# Altium PCB WX0.012.446PCB-4.2.PcbDoc (part 2 of 3)
Units mm, origin at the board's own origin, x right, y up, seen from the top; angles counter-clockwise.
Board outline 102 x 67 mm, 4 copper layers (Top Layer, GND, VCC, Bottom Layer), stack 1.581 mm thick; 212 components, 155 nets, 673 pads, 449 vias.
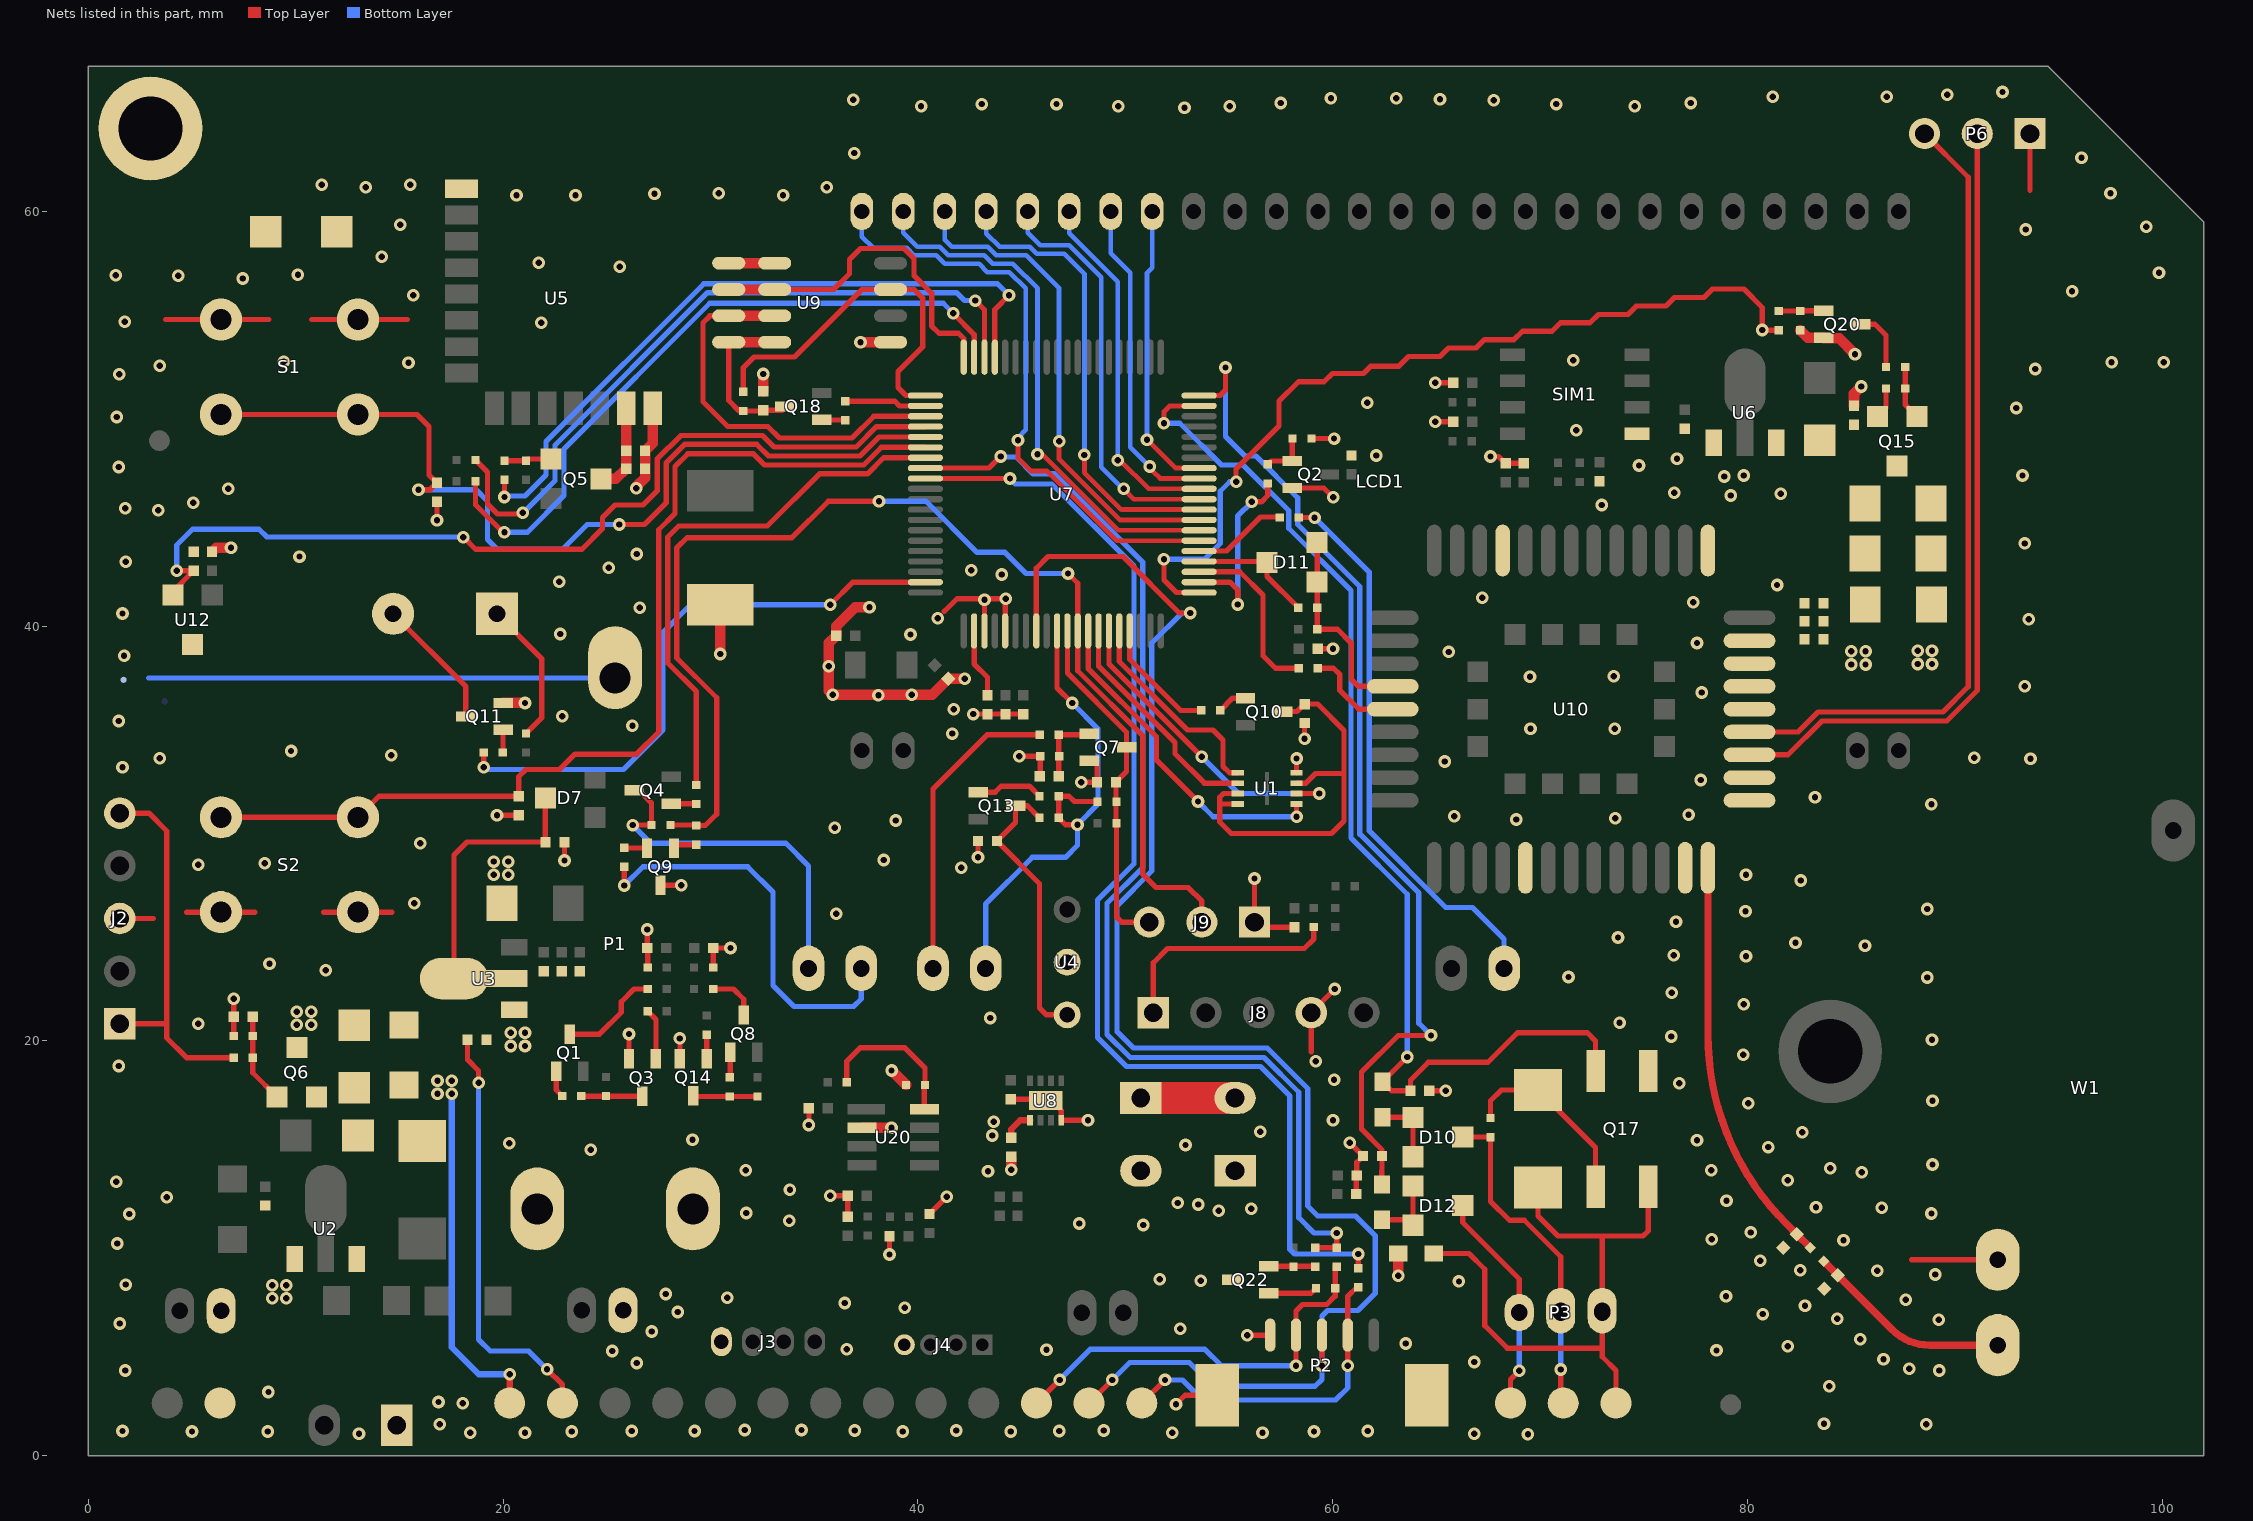
[diagram p4: the nets of this part, all layers, seen from the top]

## Part data
*: library part "AD_WXHJ_Bar Code_02", "条形码 ,填充，无需焊接器件", Part Name=条形码, ID=17, Part Number="AD_WXHJ_Bar Code_02", SMD/DIP=SMD
B1: library part 1010602-0007, "直插,直径9mm,高5.5mm,5 V,2 V,30 mA,兴化市华宇电子有限公司,HYT-0903", Part Name=有源蜂鸣器, ID=28, Part Number=1010602-0007, SMD/DIP=DIP
C1 C2: library part 101020103-0005, Part Name=0603贴片电容, ID=11, SMD/DIP=SMD
C3 C60: library part 101020101-0020, "100uF,6.3 V,±20%,1206,村田,GRM31CR60J107ME39L", Part Name=1206贴片电容, ID=27, Part Number=101020101-0020, SMD/DIP=SMD
C4 C5 C8 C10 C13 C14 C15 C16 C21 C25 C31 C32 C35 C36 C37 C38 C43 C44 C46 C47 C48 C51 C54 C55 C64: library part 101020103-0021, "104pF,50 V,±10%,0603,国巨,CC0603KRX7R9BB104", Part Name=0603贴片电容, ID=3, Part Number=101020103-0021, SMD/DIP=SMD
C6 C9 C22 C30: library part 101020103-0026, "106pF,10 V,±10%,0603,村田,GRM188R61A106KE47D", Part Name=0603贴片电容, ID=8, Part Number=101020103-0026, SMD/DIP=SMD
C7 C28: library part 101020103-0005, "12P,50 V,±5%,0603,国巨,CC0603JRNPO9BN12", Part Name=0603贴片电容, ID=11, Part Number=101020103-0005, SMD/DIP=SMD
C11 C34 C40 C42: library part 101020103-0014, "10pF,50 V,±5%,0603,X7R,国巨,CC0603JRNPO9BN100", Part Name=0603贴片电容, ID=7, Part Number=101020103-0014, SMD/DIP=SMD
C12 C50: library part 1010202-0015, "1F,2.75 V,-20%~+20%,8mm*16mm,红宝石,2.7 DMC 1 M MY4 8X16", Part Name=法拉电容, ID=12, Part Number=1010202-0015, SMD/DIP=DIP
C17: library part 101020101-0005, "100u,16 V,±10%,1206,国巨,CC1206KRNPO7BN106P", Part Name=1206贴片电容, ID=9, SMD/DIP=SMD
C18: library part 101020103-0009, "22pF,50 V,±5%,0603,国巨,CC0603JRNPO9BN22", Part Name=0603贴片电容, ID=16, Part Number=101020103-0009, SMD/DIP=SMD
C19: library part 101020103-0010, "101pf,50 V,±5%,0603,国巨,CC0603JRNP09BN101", Part Name=0603贴片电容, ID=4, Part Number=101020103-0010, SMD/DIP=SMD
C20: library part 101020101-0005, Part Name=1206贴片电容, ID=9, SMD/DIP=SMD
C23: library part 1010203-0029, "1000uF,16 V,±20%,8*20mm,Rubycon,16ZLH1000M", Part Name=电解电容, ID=2, Part Number=1010203-0029, SMD/DIP=DIP
C24 C26 C39 C41 C45 C49 C52 C53 C56 C61: library part 101020103-0027, "33pF,50 V,±10%,0603,国巨,CC0603KRNPO9BN33", Part Name=0603贴片电容, Part Number=101020103-0027, SMD/DIP=SMD
  C24 C26 C39 C45 C49 C52 C56: ID=17
  C41 C53 C61: ID=18
C29: library part 101020103-0021, "103P/1KV,±10％,1206", Part Name=1206贴片电容, Part Number=101020101-0003, ID=3, SMD/DIP=SMD
C33 C57 C62: library part 101020103-0003, "105pF,16 V,±10%,0603,国巨,CC0603KRX7R7BB105", Part Name=0603贴片电容, ID=14, Part Number=101020103-0003, SMD/DIP=SMD
C58: library part 101020103-0022, "102pF,50 V,±10%,0603,国巨,CC0603KRX7R9BB102", Part Name=0603贴片电容, ID=13, Part Number=101020103-0022, SMD/DIP=SMD
D1: library part 101040102-0001, "圆形插件,3mm 圆形,插件,红光,湖北匡通电子有限公司,3BB4HC", Part Name=发光二极管, ID=6, Part Number=101040102-0001, SMD/DIP=DIP
D2 D4 D9: library part 101040101-0048, "DS36W,SOD123-FL,3 A,42 V,60 V,浙江领晨科技有限公司,DS36W", Part Name=贴片肖特基, Part Number=101040101-0055, ID=8, SMD/DIP=SMD
D3: library part 101040101-0048, "DS12W,SOD-123FL,1 A,0.55 V,20 V,领晨科技,DS12W", Part Name=贴片肖特基, ID=9, Part Number=101040101-0048, SMD/DIP=SMD
D5: library part 101040101-0034, "直插,Φ5.8mm圆头透明色，,0.1 A,4 V,5 V,上海品观电子有限公司,AT205B", Part Name=红外发射管, ID=2, Part Number=101040101-0034, SMD/DIP=DIP
D6: library part 101040101-0035, "Φ5.8mm圆头黑色，光电接收管,Φ5.8mm,0.01 A,1.2 V,60 V,上海品观电子,AT405-PD-01", Part Name=光敏二极管, ID=4, Part Number=101040101-0035, SMD/DIP=DIP
D7 D10 D11 D12: library part 101040101-0038, "BAT54CLT1，SOT23-3,SOT23-3,0.2 A,0.8 V,30 V,安森美,BAT54CLT1", Part Name=贴片肖特基, Part Number=101040101-0038, SMD/DIP=SMD
  D7 D10 D12: ID=31
  D11: ID=8
D8: library part 101040101-0009, "SS12,DO-214AC,1 A,0.55 V,20 V,昶鑫,SS12", Part Name=贴片肖特基, ID=13, Part Number=101040101-0009, SMD/DIP=SMD
D13: library part 101040101-0008, "M7A,DO-214AC,1 A,1.1 V,1000 V,杭州闽达电子有限公司,M7A", Part Name=贴片肖特基, ID=12, Part Number=101040101-0008, SMD/DIP=SMD
DW1 EXT GND IN1 IN2 IN3 M_B M_R POW RXD SCL SDA TXD VBAT VCC VIN1 VIN2 VIN3: library part AD_WXHJ_TEST-PAD_01, "单面焊盘测试点", Part Name=测试点, ID=23, Part Number=AD_WXHJ_TEST-PAD_01, SMD/DIP=SMD
FB1 FB2 FB3: library part 109010101-0003, "chilisin(奇力新),0603,30Ω ±25% @100MHz,150 V,125 ℃,PBY160808T-300Y-N,-55 ℃,不含铅,,,圆盘,30Ω ±25% @100MHz", Part Name=磁珠, ID=25, Part Number=109010101-0003, SMD/DIP=SMD
J1 J6 J7 P5: library part 1010902-0105, "2.0-2AW,直插弯座，2PIN，脚间距2mm，带防翘起,公头,单排,2.0-2AW;直插弯座，2PIN,脚间距2mm，带防翘起", Part Name=PH座, ID=11, Part Number=1010902-0105, SMD/DIP=DIP
J3 J4: library part 1010902-0114, "1.5-4AW,直插弯座，4PIN，脚间距1.5mm，带防翘起,公头,单排,1.5-4AW，直插弯座，4PIN，脚间距1.5mm，带防翘起", Part Name=直插弯座, ID=38, Part Number=1010902-0114, SMD/DIP=DIP
J8: "Header, 5-Pin"
J9 P6: library part AD_WXHJ_PinHeader_04, "1*3 ，Φ1.0 ，2.54mm，直脚,无需焊接器件", Part Name=排针, Part Number=AD_WXHJ_PinHeader_04, SMD/DIP=DIP
  J9: ID=17
  P6: ID=27
LCD1: library part JR
MARK1 MARK2: library part AD_WXHJ_MARK_01, "MARK点", ID=8, Part Name=MARK点, Part Number=AD_WXHJ_MARK_01, SMD/DIP=SMD
P3: library part 1010902-0104, "2.0-3AW,3PIN，2mm脚间距,公头,单排,2.0-3AW；3PIN，脚间距2mm直插弯座带防翘起", Part Name=PH座, ID=12, Part Number=1010902-0104, SMD/DIP=DIP
P4: library part Shortcircuit_Pad
Q1 Q4 Q8 Q9 Q10 Q13 Q18 Q22: library part 101040201-0001, "9012,PNP,SOT-23,JCET;长电,S9012", Part Name=贴片三极管, Part Number=101040201-0001, SMD/DIP=SMD
  Q1 Q4 Q8 Q9 Q10 Q18: ID=16
  Q13 Q22: ID=17
Q2 Q3 Q7 Q11 Q14 Q20: library part 101040201-0002, "9013,NPN,SOT-23,长电,S9013", Part Name=贴片三极管, Part Number=101040201-0002, SMD/DIP=SMD
  Q2 Q3 Q7 Q11 Q14: ID=14
  Q20: ID=15
Q5 Q6 Q15: library part 101040201-0013, "UT3401ZG,P-MOS,SOT-23,UTC,UT3401ZG", Part Name=功率MOS管, ID=18, Part Number=101040201-0013, SMD/DIP=SMD
Q17: library part 1010502-0045, "SOP4,贴片,ELERLIGHT,EL357N(D)(TA)-G", Part Name=贴片光耦, ID=1, Part Number=1010502-0045, SMD/DIP=SMD
R1 R4 R10 R20 R25 R26 R33 R59 R61 R93 R94: library part 101010103-0003, "国巨,±5%,0603,,155 ℃,-55 ℃,RC0603JR-0710KL,无铅,200 ppm/℃,1/10W,,10K", Part Name=0603贴片电阻, ID=7, Part Number=101010103-0003, SMD/DIP=SMD
R2 R39 R40 R51: library part 101010103-0001, "国巨,±5%,0603,,155 ℃,-55 ℃,RC0603J2-070RL,无铅,200 ppm/℃,1/10W,,0R", Part Name=0603贴片电阻, ID=1, Part Number=101010103-0001, SMD/DIP=SMD
R3 R11 R12 R14 R34 R36 R38 R53 R75: library part 101010103-0006, "国巨,±5%,0603,,155 ℃,-55 ℃,RC0603JR-073KL,无铅,100 ppm/℃,1/10W,,3K", Part Name=0603贴片电阻, Part Number=101010103-0006, SMD/DIP=SMD
  R3 R11 R12 R38 R53: ID=22
  R14 R34 R36 R75: ID=23
R5 R54: library part 101010103-0012, "47K,±5%,1/10W,0603,国巨,RC0603JR-0747KL", Part Name=0603贴片电阻, ID=25, Part Number=101010103-0012, SMD/DIP=SMD
R6 R7: library part 101010103-0025, "国巨,±5%,0603,,155 ℃,-55 ℃,RC0603JR-072ML,含铅,100 ppm/℃,1/10W,,2M", Part Name=0603贴片电阻, ID=20, Part Number=101010103-0025, SMD/DIP=SMD
R8: library part 101010103-0003, "10K±5%,1/10W,0603", Part Name=0603贴片电阻, ID=32, Part Number=101010103-0003
R9 R24: library part 101010103-0066, "330K,±5%,1/10W,0603,国巨,RC0603JR-07330KL", Part Name=0603贴片电阻, ID=30, Part Number=101010103-0066, SMD/DIP=SMD
R13 R35 R56 R57: library part 101010103-0044, "220K,±5%,1/10W,0603,国巨,RC0603JR-07220KL", Part Name=0603贴片电阻, Part Number=101010103-0044, SMD/DIP=SMD
  R13 R35: ID=31
  R56 R57: ID=30
R15 R95: library part 101010103-0022, "100R,±5%,1/10W,0603,国巨,RC0603JR-07100RL", Part Name=0603贴片电阻, ID=5, Part Number=101010103-0022, SMD/DIP=SMD
R16 R19 R23 R55 R63: library part 101010103-0004, "国巨,±5%,0603,,155 ℃,-55 ℃,RC0603JR-0720KL,无铅,200 ppm/℃,1/10W,,20K", Part Name=0603贴片电阻, ID=15, Part Number=101010103-0004, SMD/DIP=SMD
R17 R21 R52: library part 101010103-0009, "国巨,±5%,0603,,155 ℃,-55 ℃,RC0603JR-0722RL,无铅,200 ppm/℃,1/10W,,22欧", Part Name=0603贴片电阻, ID=18, Part Number=101010103-0009, SMD/DIP=SMD
R18: library part 101010103-0034, "200K,±5%,1/10W,0603,国巨,RC0603JR-07200KL", Part Name=0603贴片电阻, ID=13, Part Number=101010103-0034, SMD/DIP=SMD
R22 R96: library part 101010103-0002, "国巨,±5%,0603,,155 ℃,-55 ℃,RC0603JR-071ML,无铅,200 ppm/℃,1/10W,,1M", Part Name=0603贴片电阻, ID=11, Part Number=101010103-0002, SMD/DIP=SMD
R27 R48: library part 101010103-0037, "国巨,±5%,0603,,155 ℃,-55 ℃,RC0603JR-0751RL,无铅,100 ppm/℃,1/10W,,51欧", Part Name=0603贴片电阻, Part Number=101010103-0037, SMD/DIP=SMD
  R27: ID=28
  R48: ID=29
R28 R37 R58 R60 R62: library part 101010103-0008, "1K,±5%,1/10W,0603,国巨,RC0603JR-071KL", Part Name=0603贴片电阻, Part Number=101010103-0008, SMD/DIP=SMD
  R28 R58 R60 R62: ID=10
  R37: ID=9
R29 R30: library part 101010103-0015, "国巨,±5%,0603,,155 ℃,55 ℃,RC0603JR-075.1KL,无铅,200 ppm/℃,1/10W,,5.1k", Part Name=0603贴片电阻, ID=26, Part Number=101010103-0015, SMD/DIP=SMD
R31 R42 R50: library part 101010101-0013, "0Ω,±5%,1/4W,1206,国巨,RC1206JR-070RL", Part Name=1206贴片电阻, ID=2, Part Number=101010101-0013, SMD/DIP=SMD
R32 R41: library part RES
S1 S2: library part 1011001-0027, "TS-1102,机械轻触,6*6*4.3直插,6*6*4.3直插,乐清市羽欧电子", Part Name=按键, ID=32, Part Number=1011001-0027, SMD/DIP=DIP
S3: library part 1011001-0051, "CSX-SEN-645B,垂直45°开关转换,3*5.2mm,360°任意方位倾斜检测,深圳市成晟科技有限公司", Part Name=倾斜开关, ID=33, Part Number=1011001-0051, SMD/DIP=SMD
SIM1: library part SIMCARD_1
U1: library part 101050101-0165, "GD25VQ80CSIG,SOP8 208mil,北京兆易创新科技股份有限公司,GD25VQ80CSIG", Part Name=贴片存储芯片FLASH, ID=14, Part Number=101050101-0165, SMD/DIP=SMD
U2: library part 1010503-0013, "S-1206B50-U3,S-1206B50-U3,SOT89-3,6.5 V,1.7 V,0.2 V,5 V,250mA@VIN≧VOUT(S)＋1.0 V﹐1.5 V≦VOUT(S),1 uA,精工电子", Part Name=贴片稳压器, ID=6, Part Number=1010503-0013, SMD/DIP=SMD
U3 U6: library part 1010503-0002, "S-1206B33-U3T1G,S-1206B33-U3T1G,SOT89-3,6.5 V,1.7 V,0.15 V,3.3 V,250mA@VIN≧VOUT(S)＋1.0 V﹐1.5 V≦VOUT(S),1 uA,精工电子", Part Name=线性稳压芯片, ID=5, Part Number=1010503-0002, SMD/DIP=SMD
U4: library part 101040101-0059, "IRM-3638J7  直脚,插件,6 V,6 V,亿光电子工业股份有限公司,IRM-3638J7", Part Name=远红外接收管, ID=46, Part Number=101040101-0059, SMD/DIP=DIP
U5: library part 1011402-0196, "DB809S,-40°C ~ +85°C,低功耗蓝牙 5.0 模组，带屏蔽罩,16.0mm*10.5mm*2.3mm,2400MHz～2480MHz(BLE)/2360MHz～2500MHz(nRF 私有模式),深圳市好上好信息科技股份有限公司", Part Name=蓝牙模块, ID=22, Part Number=1011402-0196, SMD/DIP=SMD
U8: library part 101050101-0060, "DRV8837DSGR,S-PWSON-N8,TI,DRV8837DSGR", Part Name=驱动芯片, ID=23, Part Number=101050101-0060, SMD/DIP=SMD
U9: library part AD_XN_ESAM_01, "ESAM虚拟器件", Part Name=ESAMоƬ, ID=11, Part Number=AD_XN_ESAM_01, SMD/DIP=SMD
U10: "BC28-CNS Moudle 58Pin 15.8X17.7mm H2.2mm RO", Manufacturer=Quectel, Geometry.Height=2.2mm, Part Description="BC28-CNS Moudle 58Pin 15.8X17.7mm H2.2mm RO"
U12: library part 1010504-0002, "S-5712ACDL1,SOT23-3,3.5 V,1.6 V,2 uA,精工电子,S-5712ACDL1", Part Name=霍尔元件, ID=2, Part Number=1010504-0002, SMD/DIP=SMD
U20: library part 1011301-0022, "HP303B,4.7mm*3.7mm,惠贻华普,HP303B,含铅", Part Name=HP303B温压传感器, ID=27, Part Number=1011301-0022, SMD/DIP=SMD
Y2: library part 1010601-0009, "SCX3215(SCX3213089);32.768kHz;精度20%;负载电容12.5pF,3215,32.768kHz,0.03 ppm/℃,无源,Q-SC32S03220C5AAAF,SCX3215", Part Name=贴片晶振, ID=20, Part Number=1010601-0009, SMD/DIP=SMD

## Free pads (board coordinates)
  round 5 hole 3.1: 0(3,64) 0(84,19.5)

## Via types
v1: diameter 0.61, hole 0.305, Top Layer to Bottom Layer, tented both sides, 449 vias

## Nets (pads, with @x,y where several pads share a name; then routed paths per layer and width w, separated by ;. In a path a pad name is that pad's centre, name@x,y a point inside that pad or via, vN(x,y) a via of type N, cw(c..) or ccw(c..) an arc to the next point about the centre after c; other vN are vias at no path point)
3.6V: C9.1 C14.1 D3.2 D7.3 U3.2 VIN2.1 | length 33.3
  Top Layer w0.254: U3.2@17.634,23.012 17.634,28.963 18.263,29.591 C14.1@22.047,29.591 ; C9.1@18.288,20.066 18.288,19.101 18.821,18.567 v1(18.821,17.983) ; C14.1@22.041,29.597 D7.3@22.041,31.725 ; v1(22.123,4.166) 22.86,3.429 VIN2.1@22.86,2.54
  Bottom Layer w0.254: v1(18.821,17.983) 18.821,5.613 19.38,5.055 21.234,5.055 v1(22.123,4.166)
5V: C35.1 D3.1 D8.1 Q6.2 R31.1 R42.2 U2.3 U8.1 VIN3.1 | length 18.4
  Top Layer w0.305: VIN3.1@20.32,2.54 v1(20.32,3.937) ; C35.1@44.501,15.342 44.501,15.748 44.931,16.178 U8.1@45.416,16.178
  Bottom Layer w0.305: v1(17.526,17.45) 17.526,5.232 18.821,3.937 v1(20.32,3.937)
  other v1: 43.586,15.443 43.663,16.104 16.84,17.45 16.84,18.085 17.526,18.085
119: C8.1 FB1.1 Q17.4 U7.19 | length 54.1
  Top Layer w0.254: v1(51.867,49.784) 51.867,50.343 52.148,50.624 U7.19@53.565,50.624 ; v1(63.602,19.228) FB1.1@62.408,18.034 62.84,17.602 C8.1@63.754,17.602 63.754,18.11 64.618,18.974 67.488,18.974 68.91,20.396 72.288,20.396 72.678,20.006 Q17.4@72.678,18.56
  Bottom Layer w0.254: v1(51.867,49.784) 52.629,49.784 54.635,47.777 55.683,47.777 57.887,45.574 57.887,44.722 60.884,41.725 60.884,29.794 63.602,27.076 v1(63.602,19.228)
119_BREAK: C32.2 FB3.1 U7.20 | length 49.9
  Top Layer w0.254: U7.20@53.565,51.124 54.578,51.124 54.839,51.384 v1(54.839,52.476) ; FB3.1@62.375,12.865 62.375,13.741 ; FB3.1@62.382,13.081 C32.2@62.382,14.453 62.382,14.757 61.392,15.748 61.392,18.498 63.163,20.269 v1(64.745,20.269)
  Bottom Layer w0.254: v1(54.839,52.476) 54.839,49.149 55.778,48.209 56.3,48.209 58.318,46.191 58.318,44.901 61.316,41.904 61.316,29.973 64.16,27.128 64.16,20.853 v1(64.745,20.269)
BLE_PWR_CTL: R8.1 U7.37 | length 33.9
  Top Layer w0.254: v1(20.066,46.228) R8.1@20.066,47.063 ; U7.37@43.715,52.974 43.715,55.272 v1(44.399,55.956)
  Bottom Layer w0.254: v1(20.066,46.228) 20.117,46.279 21.057,46.279 22.073,47.295 22.073,48.904 29.684,56.515 43.84,56.515 v1(44.399,55.956)
BLE_STATUS: R40.2 U7.38 | length 34.6
  Top Layer w0.254: R40.2@18.675,48.013 19.253,47.435 19.253,45.891 19.729,45.415 20.904,45.415 v1(20.955,45.466) ; v1(42.774,55.702) 43.215,55.261 U7.38@43.215,52.974
  Bottom Layer w0.254: v1(20.955,45.466) 22.504,47.015 22.504,48.725 29.863,56.083 41.866,56.083 42.247,55.702 v1(42.774,55.702)
BLE_WAKEUP: R39.1 U7.39 | length 33.3
  Top Layer w0.254: R39.1@18.675,46.971 18.675,45.859 20.008,44.526 v1(20.066,44.526) ; v1(41.707,55.093) 41.707,55.073 42.715,54.066 U7.39@42.715,52.974
  Bottom Layer w0.254: v1(20.066,44.526) 21.165,44.526 22.936,46.298 22.936,48.546 29.966,55.575 41.224,55.575 v1(41.707,55.093)
BUZZ: R38.1 U7.59 | length 28.5
  Top Layer w0.254: v1(19.073,33.204) R38.1@19.073,33.909 ; v1(35.777,41.035) 36.866,42.124 U7.59@40.365,42.124
  Bottom Layer w0.254: v1(19.073,33.204) 19.183,33.093 25.804,33.093 27.711,35.001 27.711,39.7 29.046,41.035 v1(35.777,41.035)
COM0: LCD1.1 U7.6 | length 29.1
  Top Layer w0.229: v1(44.831,48.971) 44.831,48.094 45.439,47.485 46.102,47.485 46.105,47.488 46.227,47.488 49.591,44.124 U7.6@53.565,44.124
  Bottom Layer w0.229: LCD1.1@37.3,60.25 37.3,58.788 37.846,58.242 39.456,58.242 39.811,57.887 40.888,57.887 41.294,57.48 42.951,57.48 43.358,57.074 44.413,57.074 45.199,56.288 45.199,49.467 44.831,49.098 v1(44.831,48.971)
COM1: LCD1.2 U7.7 | length 26.2
  Top Layer w0.229: v1(45.771,48.285) 46.004,48.285 49.666,44.624 U7.7@53.565,44.624
  Bottom Layer w0.229: LCD1.2@39.3,60.25 39.3,58.973 39.98,58.293 41.056,58.293 41.462,57.887 43.199,57.887 43.605,57.48 44.581,57.48 45.771,56.291 v1(45.771,48.285)
COM2: LCD1.3 U7.8 | length 24.3
  Top Layer w0.229: v1(46.812,48.92) 46.812,48.052 49.741,45.124 U7.8@53.565,45.124
  Bottom Layer w0.229: LCD1.3@41.3,60.25 41.3,58.624 41.631,58.293 43.367,58.293 43.774,57.887 45.231,57.887 46.812,56.305 v1(46.812,48.92)
COM3: LCD1.4 U7.9 | length 22.7
  Top Layer w0.229: v1(48.031,48.26) 48.031,47.408 49.815,45.624 U7.9@53.565,45.624
  Bottom Layer w0.229: LCD1.4@43.3,60.25 43.3,58.935 43.942,58.293 45.399,58.293 45.729,57.963 47.066,57.963 48.031,56.998 v1(48.031,48.26)
COM4: LCD1.5 U7.10 | length 20.3
  Top Layer w0.229: v1@49.909,46.634 v1(49.936,46.634) ; v1@49.922,46.62 50.419,46.124 U7.10@53.565,46.124
  Bottom Layer w0.229: LCD1.5@45.3,60.25 45.3,58.967 45.898,58.369 47.304,58.369 48.845,56.829 48.845,47.675 49.885,46.634 v1(49.936,46.634)
COM5: LCD1.6 U7.11 | length 17.7
  Top Layer w0.229: v1(49.645,48.006) 49.745,48.006 51.127,46.624 U7.11@53.565,46.624
  Bottom Layer w0.229: LCD1.6@47.3,60.25 47.3,58.948 49.645,56.603 v1(49.645,48.006)
COM6: LCD1.7 U7.12 | length 16
  Top Layer w0.229: v1(51.181,47.701) 51.181,47.625 51.361,47.445 51.682,47.124 U7.12@53.565,47.124
  Bottom Layer w0.229: LCD1.7@49.3,60.25 49.3,57.99 50.241,57.048 50.241,48.641 v1(51.181,47.701)
COM7: LCD1.8 U7.13 | length 14.4
  Top Layer w0.229: v1(51.054,48.997) 52.427,47.624 U7.13@53.565,47.624
  Bottom Layer w0.229: v1(51.054,48.997) 51.054,57.048 51.3,57.294 LCD1.8@51.3,60.25
COVER_OPEN_DET: C58.1 U7.44 U12.2 | length 44.6
  Top Layer w0.254: U12.2@4.079,41.51 4.079,41.671 C58.1@5.08,42.672 v1(4.267,42.672) ; v1(18.085,44.298) 18.669,43.713 23.8,43.713 24.79,44.704 24.79,45.244 25.394,45.847 26.753,45.847 27.432,46.526 27.432,48.058 28.574,49.2 32.512,49.2 33.071,48.641 37.033,48.641 38.016,49.624 U7.44@40.365,49.624
  Bottom Layer w0.254: v1(4.267,42.672) 4.267,43.917 5.029,44.679 8.23,44.679 8.611,44.298 v1(18.085,44.298)
CSB_IRDA_RX: C19.1 J9.3 Q7.3 R23.1 R48.2 U7.71 | length 16.9
  Top Layer w0.254: U7.71@47.215,39.774 47.215,37.741 50.067,34.889 Q7.3@50.067,34.161 50.067,32.994 C19.1@49.555,32.483 49.555,30.53 R48.2@49.584,30.501 49.584,25.981 49.835,25.73 J9.3@51.156,25.73
Csb_Irda_RXD_En: D6.2 R23.2 R51.1 R53.1 U7.70 | length 24.7
  Top Layer w0.254: U7.70@46.715,39.774 46.715,37.029 v1(47.447,36.297) ; R51.1@46.79,30.759 47.12,30.429 v1(47.701,30.429) ; R53.1@46.79,31.801 47.291,31.801 47.549,31.543 R23.2@48.664,31.543 ; R51.1@46.793,30.778 R53.1@46.793,31.778
  Bottom Layer w0.254: D6.2@43.612,23.842 D6.2@43.27,23.5 43.27,26.61 45.515,28.854 47.117,28.854 47.701,29.439 v1@47.701,30.378 ; v1(47.447,36.297) 48.692,35.052 48.692,31.42 v1(47.701,30.429)
CSB_IRDA_TX: J9.2 R3.1 R16.1 U7.72 | length 57.7
  Top Layer w0.254: R16.1@28.079,30.411 29.298,30.411 R3.1@29.321,30.389 29.752,30.389 30.302,30.939 30.302,36.551 28.372,38.481 28.372,43.764 28.88,44.272 33.934,44.272 35.687,46.025 v1(38.125,46.025) ; v1(47.244,42.545) 47.715,42.074 U7.72@47.715,39.774 47.715,37.852 50.839,34.727 50.839,28.053 51.486,27.407 53.035,27.407 53.696,26.746 J9.2@53.696,25.73
  Bottom Layer w0.254: v1(38.125,46.025) 40.386,46.025 42.85,43.561 44.196,43.561 45.212,42.545 v1(47.244,42.545)
Csb_Irda_TXD_En: R25.2 U7.47 | length 26.5
  Top Layer w0.254: R25.2@29.321,32.345 29.321,36.845 27.94,38.226 27.94,44.298 28.473,44.831 32.741,44.831 35.255,47.346 37.57,47.346 38.348,48.124 U7.47@40.365,48.124
EARTH: C29.1 pad.0@3,64
ESAM_CLK: U7.40 U9.6 | length 14.4
  Top Layer w0.254: U9.6@33.096,56.236 35.941,56.236 36.703,56.998 36.703,57.683 37.236,58.217 39.33,58.217 39.819,57.728 39.819,56.904 40.665,56.058 40.665,54.483 41.021,54.127 41.961,54.127 42.215,53.874 U7.40@42.215,52.974
ESAM_NC: U9.5
ESAM_POW: R4.1 U7.42 | length 4
  Top Layer w0.254: R4.1@36.5,50.854 38.886,50.854 39.116,50.624 U7.42@40.365,50.624
ESAM_RST: U7.43 U9.7 | length 17.1
  Top Layer w0.254: U9.7@30.884,54.966 29.972,54.966 29.642,54.635 29.642,50.825 30.836,49.632 32.766,49.632 33.325,49.073 36.83,49.073 37.881,50.124 U7.43@40.365,50.124
ESAM_SDA: R63.2 U7.41 U9.3 | length 17.8
  Top Layer w0.254: R63.2@31.579,51.302 31.579,52.458 32.099,52.978 34.055,52.978 37.313,56.236 U9.3@38.684,56.236 39.827,56.236 40.234,55.829 40.234,53.467 39.04,52.273 39.04,51.511 39.427,51.124 U7.41@40.365,51.124
FLASH_CLK: U1.6 U7.74 | length 11.1
  Top Layer w0.254: U7.74@48.715,39.774 48.715,38.073 52.4,34.387 52.4,33.849 53.817,32.432 U1.6@55.428,32.432
FLASH_CS: U1.1 U7.73 | length 16.1
  Top Layer w0.254: U7.73@48.215,39.774 48.215,37.962 51.506,34.671 51.506,33.551 v1(53.51,31.547) ; v1(58.263,30.815) U1.1@58.263,31.432
  Bottom Layer w0.254: v1(53.51,31.547) 54.242,30.815 v1(58.263,30.815)
FLASH_CTL: R12.1 U7.77 | length 5.8
  Top Layer w0.254: U7.77@50.215,39.774 50.215,38.405 52.679,35.941 R12.1@53.667,35.941
FLASH_MISO: U1.2 U7.75 | length 15.4
  Top Layer w0.254: U7.75@49.215,39.774 49.215,38.184 v1(53.696,33.703) ; U1.2@58.263,31.932 v1(59.36,31.932)
  Bottom Layer w0.254: v1(53.696,33.703) 55.466,31.932 v1(59.36,31.932)
FLASH_MOSI: U1.5 U7.76 | length 10.2
  Top Layer w0.254: U7.76@49.715,39.774 49.715,38.294 53.008,35.001 54.229,35.001 54.719,34.511 54.719,33.241 55.028,32.932 U1.5@55.428,32.932
GND: C1.2 C2.2 C3.2 C4.2 C5.2 C6.2 C7.1 C8.2 C9.2 C10.2 C11.2 C13.1 C14.2 C15.2 C16.2 C17.2 C18.2 C19.2 C20.2 C21.2 C22.2 C23.2 C24.2 C25.1 C26.2 C28.1 C29.2 C30.2 C31.2 C32.1 C33.2 C34.1 C35.2 C36.2 C38.2 C39.1 C40.1 C42.2 C43.2 C44.1 C45.2 C46.1 C47.1 C48.1 C49.1 C50.2 C51.2 C52.2 C53.2 C54.1 C55.2 C56.2 C57.2 C58.2 C60.2 C61.2 C62.2 C64.2 FB2.1 GND.1 J1.1 J2.3 J3.4 J4.4 J7.1 J8.4 J9.1 P1.2 P1.3 P2.1 P2.6 P2.7 P6.1 Q2.2 Q3.2 Q7.2 Q9.3 Q11.2 Q14.2 Q17.3 Q20.2 Q22.3 R5.1 R13.2 R28.1 R35.2 R41.2 R54.1 R96.2 S1.2 S2.2 S3.2 SIM1.1 U1.4 U2.1 U3.1 U4.2 U5.1 U5.15 U6.1 U7.63 U7.65 U8.4 U8.9 U9.1 U10.1 U10.10 U10.27 U10.34 U10.36 U10.37 U10.40 U10.41 U12.3 U20.2 W1.2 | length 114.7
  Top Layer w0.254: J2.3@1.524,25.908 3.15,25.908 ; 3.732,54.786 S1.2@6.398,54.786 8.71,54.786 ; 4.751,26.214 S2.2@6.398,26.214 8.045,26.214 ; R41.2@7.011,20.237 7.011,21.174 C43.2@7.014,21.177 v1(7.014,22.04) ; 10.768,54.786 S1.2@13.002,54.786 15.391,54.786 ; 11.355,26.214 S2.2@13.002,26.214 14.649,26.214 ; v1(16.815,45.11) C47.1@16.815,45.999 ; v1(19.71,30.886) C46.1@20.752,30.886 ; v1(22.962,28.702) C14.2@22.962,29.591 ; Q3.2@26.071,19.135 v1(26.071,20.335) ; v1(26.949,25.375) C40.1@26.949,24.486 26.972,24.463 R13.2@26.972,23.546 ; Q9.3@27.593,27.507 v1(28.599,27.507) ; Q14.2@28.528,19.151 v1(28.528,20.125) ; R35.2@30.13,23.546 30.13,24.483 C34.1@30.127,24.486 v1(30.965,24.486) ; v1(34.747,15.951) C64.2@34.747,16.764 ; v1(35.779,12.532) 36.604,12.532 C10.2@36.601,12.53 ; C39.1@36.621,11.538 C10.2@36.621,12.532 ; v1(38.633,9.703) C45.2@38.633,10.592 ; C16.2@40.564,11.659 v1(41.402,12.497) ; 41.275,40.716 41.885,41.326 44.018,41.326 44.215,41.129 U7.65@44.215,39.774 ; v1(42.666,35.763) C38.2@43.358,35.763 C13.1@45.085,35.763 ; v1(42.901,28.854) C54.1@42.901,29.642 ; U7.63@43.215,39.774 v1(43.215,41.281) ; C48.1@44.475,17.196 45.898,17.196 U8.9@45.923,17.17 ; v1(44.89,33.735) R5.1@45.9,33.735 45.9,32.777 C11.2@45.885,32.761 ; U8.9@46.166,17.128 46.439,17.128 46.916,16.651 U8.4@46.916,16.178 v1(48.207,16.178) ; v1(47.879,32.483) C19.2@48.641,32.483 48.641,33.346 48.476,33.511 Q7.2@48.271,33.511 ; v1(52.451,2.489) 52.878,2.917 P2.6@54.437,2.917 ; v1(55.88,5.817) P2.1@56.987,5.817 ; v1(56.236,27.838) J9.1@56.236,25.73 56.479,25.486 C49.1@58.161,25.486 ; Q2.2@58.056,46.667 59.576,46.667 v1(60.026,46.217) ; U1.4@58.263,32.932 v1(58.263,33.625) ; v1(58.649,34.569) C36.2@58.649,35.331 ; 58.972,19.475 J8.4@58.972,21.371 v1(60.105,22.504) ; R28.1@58.982,49.047 v1(60.071,49.047) ; C62.2@59.284,38.913 v1(60.02,38.913) ; v1(60.833,15.088) C32.1@61.468,14.453 61.163,14.148 C30.2@61.163,13.513 61.138,13.487 C31.2@61.138,12.624 ; C8.2@64.668,17.602 v1(65.456,17.602) ; v1(64.948,49.86) C24.2@65.811,49.86 ; v1(64.948,51.74) C52.2@65.811,51.74 ; v1(67.615,48.184) 67.996,48.184 68.326,47.854 C25.1@69.215,47.854 ; 87.909,9.449 W1.2@92.075,9.449 ; 93.624,61.011 P6.1@93.624,63.754
  Top Layer w0.508: C57.2@5.969,43.586 6.172,43.79 v1(6.883,43.79) ; Q11.2@20.001,36.3 v1(21.06,36.3) ; v1(26.416,46.66) 26.416,46.736 26.848,47.168 C22.2@26.848,47.6 C33.2@26.848,48.463 27.211,48.826 U5.15@27.211,50.509 ; v1(30.48,38.659) S3.2@30.48,41.033 ; C55.2@32.544,51.325 v1(32.544,52.165) ; v1(37.236,53.696) U9.1@38.684,53.696 ; U20.2@37.311,15.817 v1(38.728,15.817) ; v1(37.668,40.919) 36.991,40.919 36.166,40.095 36.161,40.095 36.068,40.002 C7.1@36.068,39.548 35.712,39.192 35.712,36.881 v1(35.89,36.703) v1(39.7,36.703) 40.702,36.703 C28.1@41.471,37.472 v1(42.259,37.472) ; v1(38.735,18.577) R96.2@39.429,17.882 ; v1(44.501,13.792) C35.2@44.501,14.351 ; v1(63.17,8.687) FB2.1@63.17,9.754 ; R54.1@82.55,54.277 82.916,53.911 Q20.2@83.678,53.911 83.678,53.879 84.424,53.879 v1(85.192,53.111) ; C21.2@85.141,50.622 85.141,51.206 v1(85.496,51.562)
  Bottom Layer w0.254: J2.3@1.524,25.908 3.048,25.908
  other v1: 69.418,1.041 13.056,1.067 66.827,1.067 18.415,1.118 21.057,1.118 52.273,1.118 56.617,1.118 5.004,1.168 8.661,1.168 23.317,1.168 39.268,1.168 44.475,1.168 59.106,1.168 1.651,1.194 26.213,1.194 29.235,1.194 46.812,1.194 61.697,1.194 36.957,1.219 41.859,1.22 48.971,1.219 31.648,1.245 34.392,1.245 16.942,1.524 88.621,1.524 83.693,1.549 18.059,2.54 16.891,2.591 8.687,3.073 83.947,3.353 1.778,4.115 89.256,4.115 87.808,4.191 26.441,4.47 66.827,4.521 86.563,4.648 25.273,5.055 78.511,5.08 46.203,5.105 36.576,5.131 81.94,5.283 63.525,5.41 85.446,5.613 27.178,5.994 52.654,6.121 1.524,6.375 89.23,6.553 84.328,6.604 80.747,6.833 28.423,6.934 39.37,7.137 82.779,7.239 36.474,7.366 87.63,7.518 8.865,7.595 9.55,7.595 30.81,7.62 78.969,7.696 27.838,7.798 8.865,8.23 9.55,8.23 1.803,8.255 66.091,8.407 53.645,8.433 51.664,8.509 89.052,8.738 86.258,8.915 82.55,8.941 80.62,9.398 1.397,10.236 84.633,10.389 78.283,10.439 80.162,10.77 50.876,11.125 47.777,11.201 33.807,11.328 1.981,11.659 88.875,11.684 31.725,11.709 54.508,11.811 56.083,11.913 86.487,11.963 83.312,11.989 53.518,12.116 52.527,12.192 78.994,12.294 3.785,12.471 33.833,12.827 1.346,13.208 81.94,13.284 85.522,13.665 43.383,13.716 31.699,13.767 78.257,13.767 83.998,13.868 88.925,14.046 24.232,14.757 81.001,14.884 52.908,14.986 20.295,15.062 77.572,15.215 29.134,15.24 82.652,15.596 56.515,15.621 60.02,16.18 80.035,16.993 88.925,17.12 76.708,17.958 60.071,18.136 1.473,18.796 59.182,19.025 79.807,19.329 20.371,19.761 21.057,19.761 88.9,20.066 76.327,20.218 20.371,20.396 21.057,20.396 5.309,20.828 73.838,20.879 43.485,21.107 79.832,21.768 76.352,22.327 88.671,23.063 71.374,23.089 11.455,23.419 8.738,23.724 79.934,24.079 76.454,24.13 85.674,24.587 82.321,24.74 73.762,24.994 76.556,25.756 36.068,26.137 79.908,26.264 88.671,26.365 15.723,26.645 82.575,27.737 19.558,28.016 20.244,28.016 79.934,28.016 42.088,28.346 5.309,28.499 8.509,28.575 19.558,28.651 20.244,28.651 38.354,28.727 16.002,29.54 35.992,30.277 38.938,30.632 68.859,30.683 73.635,30.734 65.862,30.836 77.165,30.912 88.875,31.42 83.261,31.75 77.749,32.588 1.651,33.198 65.405,33.477 93.65,33.604 3.454,33.63 90.932,33.655 14.605,33.782 9.779,33.985 41.656,34.823 69.545,35.052 73.609,35.052 26.238,35.204 1.473,35.433 22.86,35.662 41.732,35.992 38.1,36.678 77.8,36.805 93.37,37.109 69.52,37.567 73.558,37.592 35.712,38.075 85.014,38.151 85.7,38.151 88.214,38.176 88.9,38.176 1.727,38.583 65.608,38.76 85.014,38.786 85.7,38.786 88.214,38.811 88.9,38.811 77.572,39.192 39.649,39.599 22.758,39.624 93.574,40.335 40.965,40.386 1.651,40.615 26.594,40.894 77.394,41.148 44.247,41.326 67.211,41.377 81.432,41.986 22.708,42.139 44.044,42.494 42.57,42.697 25.095,42.824 1.803,43.104 10.185,43.358 26.441,43.485 93.37,43.993 3.378,45.593 1.778,45.695 72.974,45.847 5.055,45.949 79.197,46.304 81.61,46.38 76.479,46.431 6.756,46.634 78.892,47.219 79.832,47.269 93.269,47.269 1.473,47.676 74.778,47.752 76.606,48.082 62.103,48.235 71.755,49.454 1.372,50.089 92.964,50.521 61.671,50.775 1.499,52.146 93.878,52.4 3.454,52.553 15.443,52.705 97.561,52.73 100.076,52.73 9.423,52.756 71.603,52.832 21.844,54.635 1.753,54.686 15.672,55.956 95.656,56.159 7.442,56.769 4.343,56.896 1.321,56.921 10.109,56.947 99.847,57.048 25.629,57.328 21.717,57.531 14.148,57.81 93.421,59.131 99.238,59.258 15.037,59.36 20.65,60.782 23.495,60.782 33.503,60.782 27.305,60.858 30.404,60.884 97.511,60.884 13.386,61.163 35.611,61.163 11.252,61.29 15.519,61.29 96.114,62.586 36.932,62.814 52.857,64.999 40.157,65.075 49.657,65.075 55.042,65.075 74.574,65.075 43.078,65.176 46.685,65.176 70.79,65.176 57.506,65.227 77.267,65.227 67.767,65.354 36.881,65.38 65.176,65.405 59.919,65.456 63.068,65.456 81.229,65.532 86.716,65.532 89.637,65.634 92.304,65.761
GPRS-RXD: D11.1 D11.2 R55.2 R57.1 U10.17 | length 10
  Top Layer w0.254: D11.2@59.239,44.028 59.261,44.006 R57.1@59.261,40.894 R55.2@59.261,39.853 60.23,39.853 60.909,39.173 60.909,37.44 61.249,37.1 U10.17@62.9,37.1
GPRS-TXD: R56.2 U10.18 | length 4.9
  Top Layer w0.254: R56.2@59.286,37.973 60.046,37.973 60.35,37.668 60.35,36.909 61.259,36 U10.18@62.9,36
GPRS_3.6V: C3.1 C20.1 C42.1 C51.1 C53.1 C60.1 Q15.3 U10.42 U10.43
GPRS_POWER: R34.1 U7.1 | length 42
  Top Layer w0.254: v1(51.867,43.231) 51.867,42.23 52.473,41.624 U7.1@53.565,41.624 ; v1(55.347,46.965) 55.347,47.578 57.419,49.651 57.419,50.852 58.352,51.785 59.588,51.785 59.994,52.191 61.487,52.191 61.826,52.53 63.184,52.53 63.658,53.004 65.177,53.004 65.584,53.411 66.915,53.411 67.321,53.817 68.746,53.817 69.153,54.223 70.578,54.223 70.984,54.63 72.41,54.63 72.816,55.036 74.241,55.036 74.648,55.443 76.073,55.443 76.479,55.849 77.905,55.849 78.311,56.255 79.836,56.255 80.718,55.372 80.718,54.277 R34.1@81.509,54.277
  Bottom Layer w0.254: v1(51.867,43.231) 53.823,43.231 54.585,43.993 54.585,46.507 55.042,46.965 v1(55.347,46.965)
  other v1: 80.721,54.28
GPRS_RST: R11.1 U7.2 | length 9.4
  Top Layer w0.254: U7.2@53.565,42.124 55.057,42.124 55.423,41.758 v1(55.423,41.046) ; v1(56.106,45.997) 56.563,45.997 56.871,46.304 R11.1@56.871,46.886
  Bottom Layer w0.254: v1(55.423,41.046) 55.423,45.314 v1(56.106,45.997)
HIC1_EXT: EXT.1 P2.3 U7.68 | length 76.5
  Top Layer w0.254: U7.68@45.715,39.774 45.715,42.794 46.279,43.358 49.886,43.358 52.603,40.64 v1(53.137,40.64) ; EXT.1@48.26,2.54 v1(49.378,3.658) ; v1(59.487,4.338) P2.3@59.487,5.817
  Bottom Layer w0.254: v1(49.378,3.658) 50.216,4.496 53.086,4.496 54.229,3.353 59.157,3.353 59.487,3.683 v1(59.487,4.338) 59.487,6.731 59.756,7 61.229,7 62.052,7.823 62.052,10.617 61.112,11.557 59.284,11.557 58.801,12.04 58.801,17.706 56.847,19.66 50.396,19.66 49.606,20.449 49.606,26.515 51.283,28.192 51.283,39.192 52.73,40.64 v1(53.137,40.64)
HIC1_RXD: R60.1 U7.49 | length 57.2
  Top Layer w0.254: U7.49@40.365,47.124 v1(44.443,47.124) ; R60.1@61.239,9.045 v1(61.239,9.728)
  Bottom Layer w0.254: v1(44.443,47.124) 44.704,46.863 46.457,46.863 50.419,42.901 50.419,28.55 48.666,26.797 48.666,20.168 50.063,18.771 56.515,18.771 57.937,17.348 57.937,9.954 58.163,9.728 v1(61.239,9.728)
HIC1_TXD: R58.1 R62.1 U7.48 | length 56.6
  Top Layer w0.254: U7.48@40.365,47.624 43.433,47.624 v1(43.993,48.184) ; R58.1@59.157,10.036 R62.1@60.198,10.036 v1(60.198,10.744)
  Bottom Layer w0.254: v1(43.993,48.184) 44.018,48.158 44.748,48.158 45.561,47.346 46.585,47.346 50.851,43.079 50.851,28.371 49.124,26.644 49.124,20.321 50.242,19.202 56.694,19.202 58.369,17.527 58.369,11.481 59.106,10.744 v1(60.198,10.744)
IN1: D10.3 IN1.1 P3.2 P5.2 R75.1 | length 15.9
  Top Layer w0.254: D10.3@66.275,15.367 R75.1@67.592,15.367 ; R75.1@67.615,15.39 67.615,12.268 68.529,11.354 69.24,11.354 71,9.594 P5.2@71,7 ; v1(71,4.159) 71,2.66 IN1.1@71.12,2.54
  Bottom Layer w0.254: v1(71,4.159) P3.2@71,6.908
IN2: D13.1 FB2.2 IN2.1 P3.1 P5.1 Q17.2 | length 29.3
  Top Layer w0.254: FB2.2@64.872,9.754 66.573,9.754 67.335,8.992 67.335,6.274 68.428,5.182 73,5.182 ; D13.1@69.901,12.941 69.901,11.557 70.866,10.592 73,10.592 ; IN2.1@73.66,2.54 73.66,4.115 73,4.775 P3.1@73,6.908 P5.1@73,7 73,10.592 ; Q17.2@75.218,12.972 75.218,10.846 74.964,10.592 73,10.592
IN3: D12.3 IN3.1 P3.3 | length 10.8
  Top Layer w0.254: D12.3@66.275,12.065 66.275,11.252 69,8.527 P3.3@69,6.908 ; IN3.1@68.58,2.54 68.58,3.681 v1(69,4.101)
  Bottom Layer w0.254: v1(69,4.101) P3.3@69,6.908
KEY_INTP8: C46.2 S2.1 U7.46 | length 49.4
  Top Layer w0.254: S2.1@6.398,30.786 S2.1@13.002,30.786 14.017,31.801 C46.2@20.752,31.801 20.752,32.741 21.105,33.093 22.73,33.093 23.47,33.833 26.441,33.833 27.508,34.9 27.508,44.653 28.296,45.441 28.296,47.7 28.906,48.31 32.08,48.31 32.613,47.777 37.391,47.777 38.237,48.624 U7.46@40.365,48.624
KEY_INTP15: C47.2 S1.1 U7.45 | length 44.7
  Top Layer w0.254: S1.1@6.398,50.214 S1.1@13.002,50.214 15.851,50.214 16.434,49.632 16.434,47.295 C47.2@16.815,46.914 16.485,46.584 v1(15.926,46.584) ; v1(25.603,44.907) 26.822,44.907 27.864,45.949 27.864,47.879 28.753,48.768 32.233,48.768 32.791,48.209 37.212,48.209 38.127,49.124 U7.45@40.365,49.124
  Bottom Layer w0.254: v1(15.926,46.584) 18.694,46.584 19.253,46.025 19.253,44.19 19.729,43.713 22.866,43.713 24.06,44.907 v1(25.603,44.907)
LED: R37.1 U7.5 | length 4.6
  Top Layer w0.254: U7.5@53.565,43.624 54.882,43.624 56.521,45.263 57.427,45.263 R37.1@57.452,45.237
MCU_RXD0: R56.1 U7.3 | length 8.4
  Top Layer w0.254: U7.3@53.565,42.624 55.522,42.624 56.642,41.504 56.642,38.576 57.245,37.973 R56.1@58.366,37.973
MCU_TXD0: D11.3 R57.2 U7.4 | length 6.1
  Top Layer w0.254: U7.4@53.565,43.124 56.794,43.124 D11.3@56.839,43.078 56.839,42.396 R57.2@58.341,40.894
NB_DBG_RXD: P6.2 U10.38 | length 39.1
  Top Layer w0.254: U10.38@80.1,33.8 81.959,33.8 83.592,35.433 89.611,35.433 91.084,36.906 P6.2@91.084,63.754
NB_DBG_TXD: P6.3 U10.39 | length 39
  Top Layer w0.254: U10.39@80.1,34.9 82.449,34.9 83.414,35.865 89.432,35.865 90.653,37.085 90.653,61.646 P6.3@88.544,63.754
NetB1_1: B1.1 R27.1 | length 7
  Top Layer w0.254: B1.1@19.7,40.6 21.873,38.427 21.873,35.591 R27.1@21.107,34.826
NetB1_2: B1.2 Q11.3 | length 6.4
  Top Layer w0.254: B1.2@14.696,40.6 B1.2@14.7,40.6 18.205,37.095 Q11.3@18.205,35.65
NetC1_1: C1.1 R2.2 U10.35 | length 19.8
  Top Layer w0.356: U10.35@78.1,28.35 78.1,20.295 ccw(c90.963,20.295) 81.867,11.2 C1.1@82.387,10.68 R2.2@82.996,10.071
NetC2_1: C2.1 R2.1 W1.1 | length 10
  Top Layer w0.254: R2.1@83.688,9.378 R2.1@83.69,9.378 ; R2.1@83.718,9.349 R2.1@83.718,9.385
  Top Layer w0.356: R2.1@83.69,9.378 C2.1@84.363,8.704 86.989,6.078 ccw(c88.785,7.874) 88.785,5.334 W1.1@92.075,5.334
NetC11_1: C11.1 Q7.1 R5.2 R19.1 | length 3.5
  Top Layer w0.254: C11.1@46.799,32.761 46.802,32.764 R19.1@46.802,34.761 48.221,34.761 Q7.1@48.271,34.811
NetC12_1: C12.1 Q6.3 R31.2
  other v1: 10.058,20.777 10.744,20.777 10.058,21.412 10.744,21.412
NetC12_2: C12.2 C50.1 | length 4.5
  Top Layer w1.524: C12.2@50.755,17.25 C50.1@55.295,17.25
NetC21_1: C21.1 Q15.2 R6.2 R50.2 U6.3 | length 1.5
  Top Layer w0.254: Q15.2@86.274,50.12 86.687,50.534 R6.2@86.687,51.46
NetC22_1: C22.1 C33.1 Q5.3 U5.14 | length 6.3
  Top Layer w0.508: Q5.3@24.721,47.108 25.441,47.108 C22.1@25.933,47.6 C33.1@25.933,48.463 25.941,48.471 U5.14@25.941,50.509 ; C33.1@25.94,48.505 U5.14@25.94,50.5
NetC36_1: C36.1 Q10.3 U1.3 U1.7 U1.8 | length 20
  Top Layer w0.254: U1.8@55.428,31.432 54.573,31.432 54.559,31.445 ; U1.7@55.428,31.932 54.741,31.932 54.559,31.75 54.559,31.445 ; Q10.3@57.597,35.882 57.597,35.886 58.289,35.886 C36.1@58.649,36.246 59.284,36.246 60.554,34.976 60.554,32.893 ; U1.3@58.263,32.432 58.71,32.432 59.171,32.893 60.554,32.893 ; 54.559,31.445 54.559,30.556 55.113,30.002 59.949,30.002 60.554,30.607 60.554,32.893
NetC38_1: C38.1 U7.62 | length 3.4
  Top Layer w0.254: U7.62@42.715,39.774 42.715,38.185 43.358,37.542 C38.1@43.358,36.678
NetC43_1: C43.1 Q6.1 R32.1 R41.1 | length 4.8
  Top Layer w0.254: C43.1@7.928,21.177 7.928,19.214 R32.1@7.938,19.203 ; 7.931,19.609 7.931,18.469 Q6.1@9.108,17.291
NetC54_2: C54.2 Q13.3 R51.2 U4.3 | length 13.8
  Top Layer w0.254: R51.2@45.873,30.756 R51.2@45.87,30.759 45.285,31.344 Q13.3@44.713,31.344 44.713,30.54 C54.2@43.815,29.642 45.872,27.584 45.872,21.59 46.203,21.26 U4.3@47.2,21.26
NetC55_1: C55.1 Q18.3 R63.1 U9.8 | length 5.8
  Top Layer w0.254: U9.8@30.884,53.696 30.884,50.878 31.381,50.382 R63.1@31.579,50.382 32.516,50.382 C55.1@32.544,50.41 33.451,50.41 Q18.3@33.57,50.529
NetD1_2: D1.2 R37.2 | length 27
  Top Layer w0.254: R37.2@58.372,45.237 v1(59.131,45.237)
  Bottom Layer w0.254: v1(59.131,45.237) 61.773,42.596 61.773,30.127 65.458,26.441 66.751,26.441 68.27,24.923 D1.2@68.27,23.5
NetD5_1: D5.1 Q4.3 R16.2 | length 17.3
  Top Layer w0.254: v1(26.247,30.411) R16.2@27.159,30.411 27.159,31.481 26.552,32.088 Q4.3@26.315,32.088
  Bottom Layer w0.254: v1(26.247,30.411) 27.119,29.54 33.63,29.54 34.73,28.44 D5.1@34.73,23.5
NetD5_2: D5.2 R15.2 | length 19.8
  Top Layer w0.254: v1(25.841,27.499) R15.2@25.841,28.402
  Bottom Layer w0.254: v1(25.841,27.499) 26.744,28.402 31.796,28.402 33.02,27.178 33.02,22.682 34.036,21.666 36.906,21.666 37.27,22.03 D5.2@37.27,23.5
NetD6_1: D6.1 R19.2 | length 14.9
  Top Layer w0.254: D6.1@40.7,23.47 D6.1@40.73,23.5 40.73,32.156 43.335,34.761 R19.2@45.842,34.761
NetD10_1: D10.1 D10.2 FB1.2 | length 3.4
  Top Layer w0.254: FB1.2@62.408,16.383 62.474,16.317 D10.1@63.875,16.317 D10.2@63.875,14.417
NetD12_1: D12.1 D12.2 FB3.2 | length 3.5
  Top Layer w0.254: FB3.2@62.382,11.379 63.611,11.379 D12.2@63.875,11.115 D12.1@63.875,13.015
NetD13_2: D13.2 Q17.1 R75.2 | length 9.2
  Top Layer w0.254: R75.2@67.615,16.284 67.615,17.12 68.135,17.64 D13.2@69.901,17.64 72.678,14.863 Q17.1@72.678,12.972
NetJ2_1: J2.1 J2.5 R32.2 | length 18.8
  Top Layer w0.254: J2.1@1.524,20.828 3.759,20.828 3.785,20.803 ; J2.5@1.524,30.988 2.921,30.988 3.785,30.124 3.785,20.803 ; 6.75,19.206 R32.2@7.016,19.206 ; R32.2@7.011,19.196 4.731,19.196 3.785,20.142 3.785,20.803
NetJ8_1: J8.1 R95.2 | length 11.2
  Top Layer w0.254: J8.1@51.352,21.371 51.352,23.767 52.045,24.46 58.598,24.46 ; 58.635,24.455 59.096,24.916 R95.2@59.096,25.494
NetP1_1: P1.1 P4.0 | length 22.5
  Bottom Layer w0.254: 2.921,37.5 P1.1@25.4,37.5
NetP2_2: P2.2 R61.2 R62.2 TXD.1 | length 20.2
  Top Layer w0.254: TXD.1@45.72,2.54 v1(46.838,3.658) ; v1(58.237,4.338) P2.2@58.237,5.817 58.237,6.98 58.547,7.29 59.715,7.29 60.121,7.696 R61.2@60.121,8.084 R62.2@60.121,9.151
  Bottom Layer w0.254: v1(46.838,3.658) 48.311,5.131 53.848,5.131 54.641,4.338 v1(58.237,4.338)
NetP2_4: P2.4 R60.2 RXD.1 | length 16.1
  Top Layer w0.254: RXD.1@50.8,2.54 v1(51.918,3.658) ; v1(60.737,4.338) P2.4@60.737,5.817 60.737,7.699 R60.2@61.163,8.125
  Bottom Layer w0.254: v1(51.918,3.658) 52.756,3.658 53.721,2.692 60.147,2.692 60.737,3.282 v1(60.737,4.338)
NetQ1_1: Q1.1 R1.2 | length 1.3
  Top Layer w0.254: Q1.1@22.566,18.533 22.566,17.64 R1.2@22.857,17.348
NetQ1_3: Q1.3 R9.1 | length 5
  Top Layer w0.254: Q1.3@23.216,20.329 24.647,20.329 25.705,21.387 25.705,21.895 26.314,22.504 R9.1@26.972,22.504
NetQ2_1: Q2.1 R11.2 R28.2 | length 2.3
  Top Layer w0.254: R11.2@56.871,47.806 57.032,47.967 Q2.1@58.056,47.967 58.056,49.042 R28.2@58.062,49.047
NetQ3_1: Q3.1 R14.2 | length 2.5
  Top Layer w0.254: R14.2@26.972,21.438 27.371,21.039 Q3.1@27.371,19.135
NetQ3_3: Q3.3 R1.1 R10.1 | length 3
  Top Layer w0.254: R1.1@23.752,17.297 23.794,17.339 Q3.3@26.721,17.339
NetQ4_1: Q4.1 R25.1 | length 1.2
  Top Layer w0.254: Q4.1@28.11,31.438 29.307,31.438 R25.1@29.321,31.425
NetQ5_1: Q5.1 R7.1 R8.2 | length 2.3
  Top Layer w0.254: R8.2@20.066,47.983 R7.1@21.107,47.983 21.182,48.058 Q5.1@22.321,48.058
NetQ8_1: Q8.1 R33.2 | length 1.2
  Top Layer w0.254: R33.2@30.938,18.246 30.958,18.267 Q8.1@30.958,19.457
NetQ8_3: Q8.3 R24.1 | length 2.3
  Top Layer w0.254: R24.1@30.254,22.504 31.115,22.504 31.608,22.011 Q8.3@31.608,21.253
NetQ9_1: Q9.1 R3.2 | length 1.1
  Top Layer w0.254: Q9.1@28.243,29.303 28.41,29.469 R3.2@29.321,29.469
NetQ9_2: Q9.2 R15.1 | length 1.1
  Top Layer w0.254: R15.1@25.841,29.322 25.86,29.303 Q9.2@26.943,29.303
NetQ10_1: Q10.1 R12.2 | length 1.5
  Top Layer w0.254: R12.2@54.587,35.941 55.179,36.532 Q10.1@55.801,36.532
NetQ11_1: Q11.1 R38.2 | length 0.9
  Top Layer w0.254: R38.2@20.001,34.07 Q11.1@20.001,35
NetQ13_1: Q13.1 R53.2 | length 3.3
  Top Layer w0.254: Q13.1@42.917,31.994 43.728,31.994 44.023,32.288 45.382,32.288 R53.2@45.87,31.801
NetQ14_1: Q14.1 R36.2 | length 1.2
  Top Layer w0.254: R36.2@29.824,20.308 29.824,19.155 Q14.1@29.828,19.151
NetQ14_3: Q14.3 R26.1 R33.1 | length 3.1
  Top Layer w0.254: Q14.3@29.207,17.326 R33.1@30.938,17.326 R26.1@32.267,17.326
NetQ15_1: Q15.1 R6.1 R18.2 | length 2.7
  Top Layer w0.254: R18.2@87.607,52.502 R6.1@87.607,51.46 87.607,50.687 Q15.1@88.141,50.153 ; Q15.1@88.141,50.068 Q15.1@88.141,50.153 ; Q15.1@88.174,50.12 Q15.1@88.141,50.153
NetQ18_1: Q18.1 R4.2 | length 1.1
  Top Layer w0.254: Q18.1@35.366,49.947 R4.2@36.487,49.947
NetQ20_1: Q20.1 R34.2 R54.2 | length 2
  Top Layer w0.254: R34.2@81.509,55.197 R54.2@82.55,55.197 ; R54.2@82.717,55.211 Q20.1@83.678,55.211
NetQ20_3: Q20.3 R18.1 | length 3
  Top Layer w0.254: Q20.3@85.474,54.561 86.155,54.561 86.687,54.029 R18.1@86.687,52.502
NetQ22_1: Q22.1 R61.1 | length 2.4
  Top Layer w0.254: Q22.1@56.93,7.834 58.951,7.834 R61.1@59.201,8.084
NetQ22_2: Q22.2 R58.2 R59.1 | length 2.2
  Top Layer w0.254: Q22.2@56.93,9.134 59.139,9.134 R58.2@59.157,9.116
NetR22_1: R22.1 R96.1 U20.8 | length 7.5
  Top Layer w0.254: R22.1@36.579,18.009 36.579,19.027 37.22,19.669 39.386,19.669 40.349,18.706 R96.1@40.349,17.882 40.311,17.844 U20.8@40.311,16.717